# Altium PCB BLDC_DEV_LKS074D(O)_V1.10.PcbDoc (part 1 of 2) (continued)
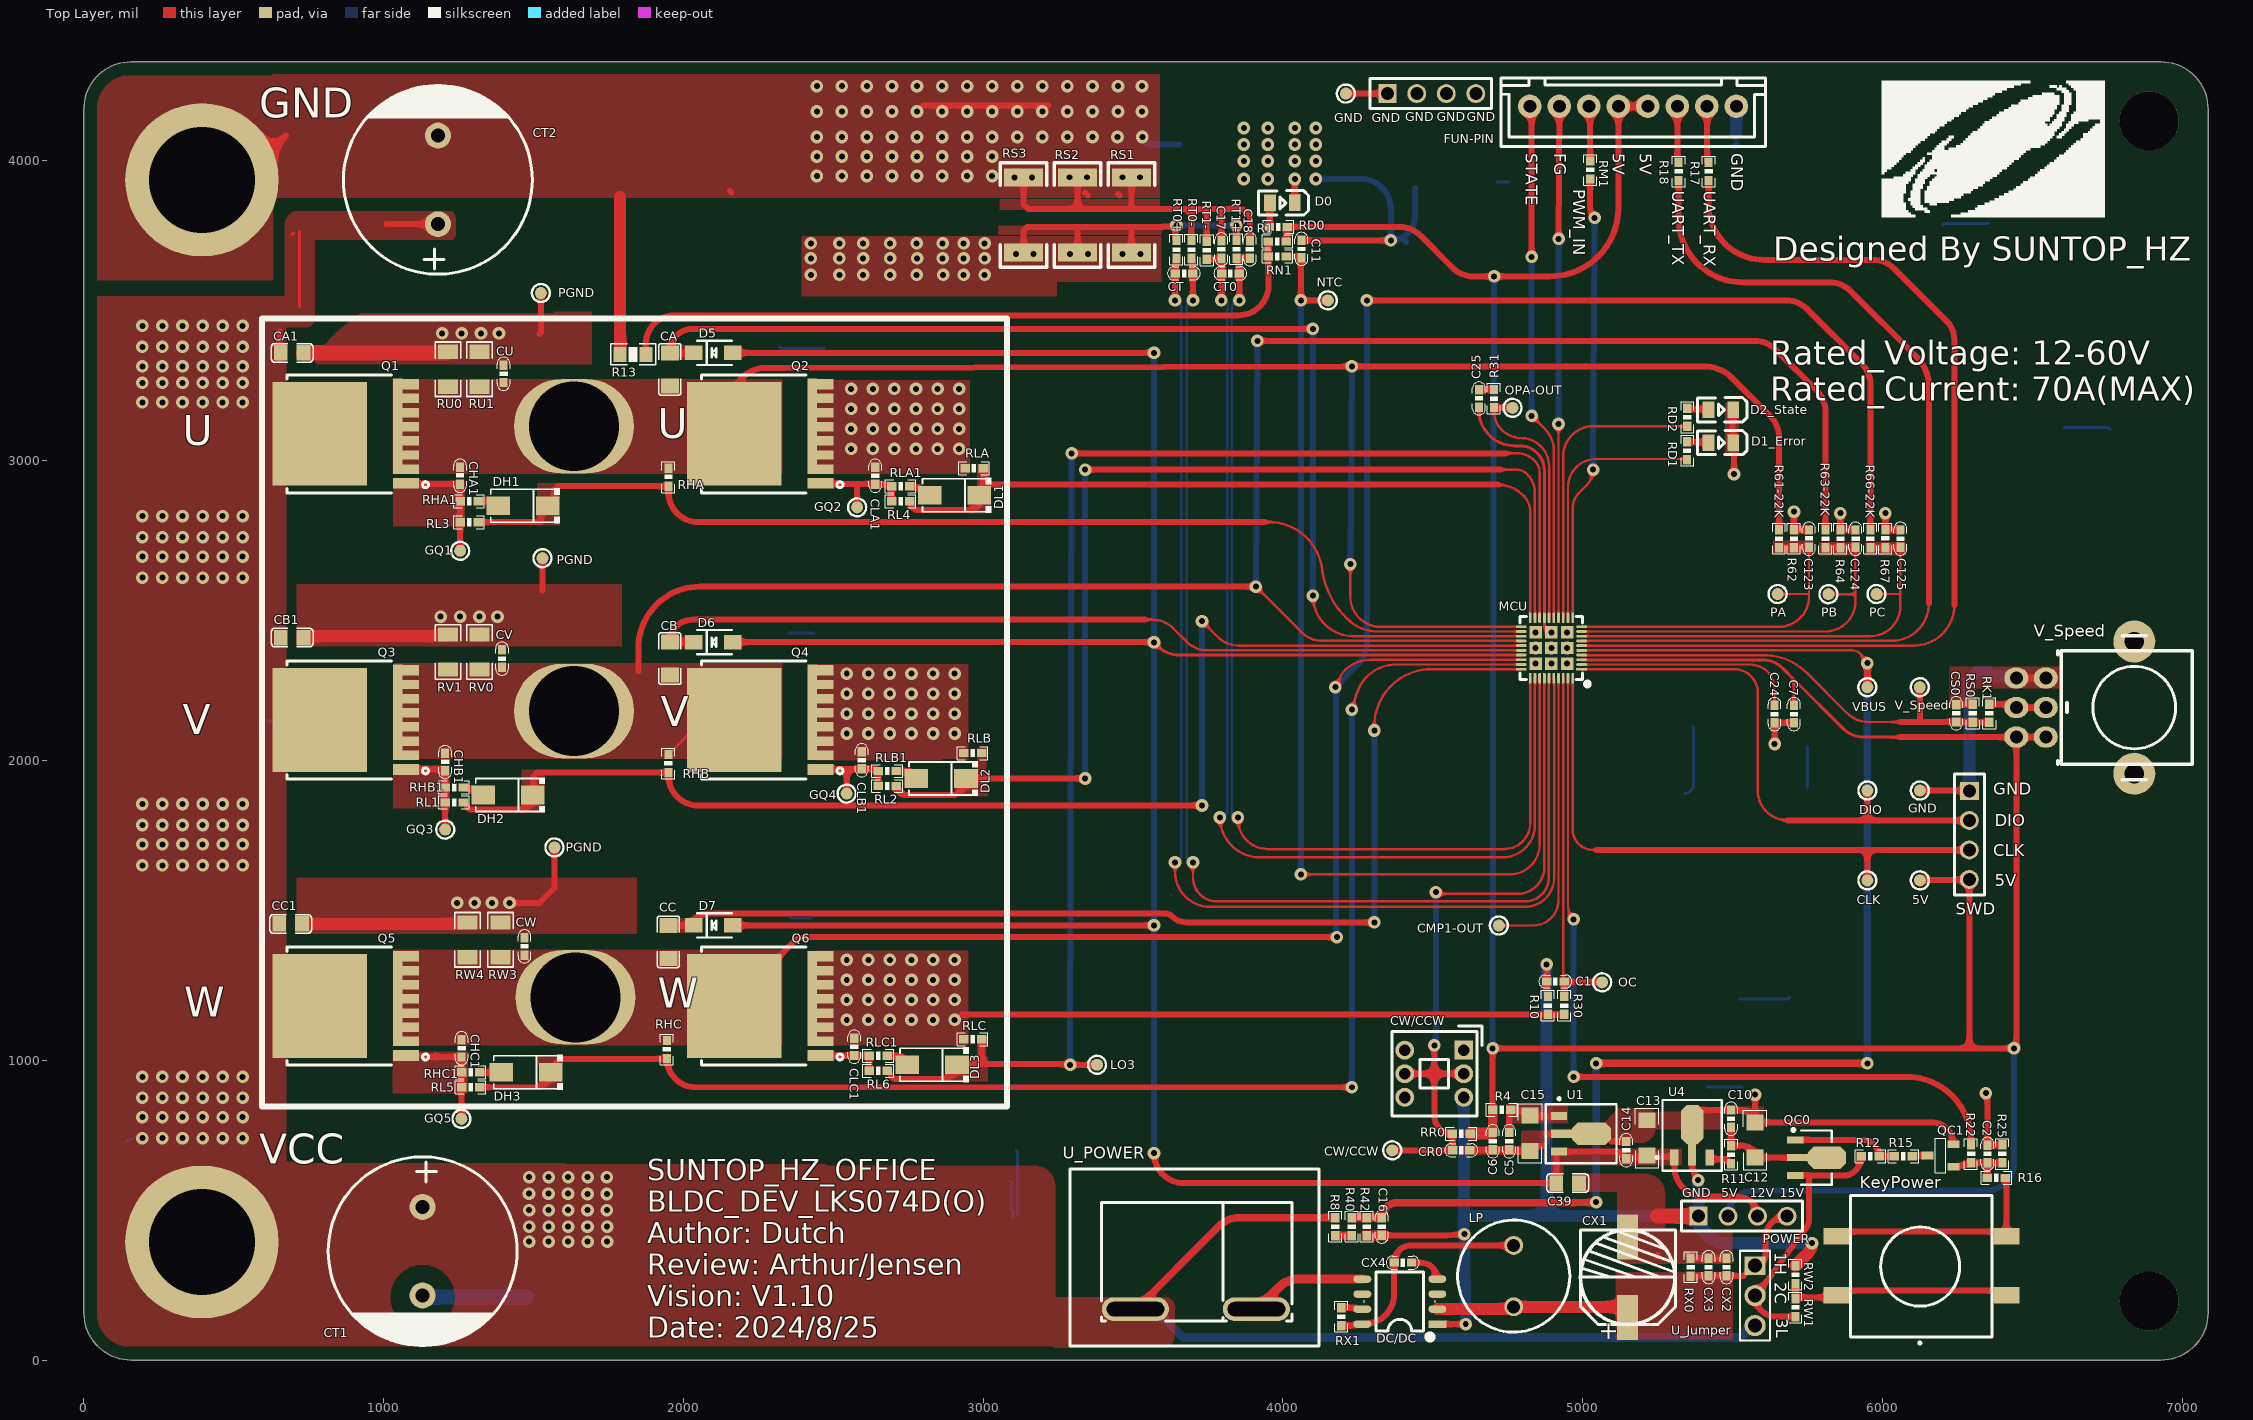
[diagram p0: Top Layer view]
## Footprints (in the part's own frame and the unit in brackets; to place one, negate y for a bottom-side part, rotate by r counter-clockwise, add the part's x,y. Pads: shape width x height; smd on the part's side, far side on the other; paste and mask are expansions set on the pad)
0603C [mm] "电容"
  rect 0.8x0.7 smd: 1(-0.737,0) 2(0.738,0)
  silkscreen extent -1.4,-0.55 1.4,0.55, body extent -0.8,-0.41 0.8,0.41, height 0.81
0603R [mm] "电阻"
  rect 0.8x0.7 smd: 1(-0.762,0) 2(0.762,0)
  silkscreen extent -1.3,-0.55 1.3,0.55, body extent -0.8,-0.4 0.8,0.4, height 0.45
0805C [mil] "电容"
  rect 46x51.18 smd: 1(-38,0) 2(38,0)
  silkscreen extent -69,-31 70,31, body extent -39,-24 39,24, height 20
0805R [mm]
  rect 1.1x1.27 smd: 1(0,0) 2(2.175,0)
  silkscreen extent -0.81,-0.89 3,0.89
1206 [mm]
  rect 1.35x1.45 smd: 1(-0.01,-0.01) 2(2.99,-0.01)
  silkscreen extent -1.02,-1 4,0.98
1206C [mil] "电容"
  rect 50x60 smd: 1(-55,0) 2(55,0)
  silkscreen extent -86,-37 86,37, body extent -63,-32 63,32, height 48
2512R [mm]
  rect 1.5x3.3 smd: 1(-0.04,-0.01) 2(6.31,-0.01)
  silkscreen extent -1.31,-1.98 7.56,1.96
CAP-TH_BD16.0-P7.50-D1.2-FD [mm]
  round 2.2 hole 1.2: 1(-3.75,0) 2(3.75,0)
  silkscreen extent -8,-8 8,8
CONN-TH_4P-P2.50_4PIN [mm]
  rect 1.524x1.6 hole 1.1: 1(-3.75,0)
  round 1.6 hole 1.1: 2(-1.25,0) 3(1.25,0) 4(3.75,0)
  silkscreen extent -5.21,-1.27 5.08,1.27
CONN-TH_8P-P2.50-XH2.54-8P [mm]
  round 2 hole 1.1: 1(8.75,0) 2(6.25,0) 3(3.75,0) 4(1.25,0) 5(-1.25,0) 6(-3.75,0) 7(-6.25,0) 8(-8.75,0)
  silkscreen extent -11.2,-3.4 11.2,2.4
EC-8 [mm]
  rect 3.81x1.8 smd: 1(-3.4,0) 2(3.4,0)
  silkscreen extent -4.01,-4.04 4.01,4.01
HDR-TH_3P-P2.54-V-M-1 [mm]
  rect 1.575x1.8 hole 1.2: 1(-2.54,0)
  round 1.8 hole 1.2: 2(0,0) 3(2.54,0)
  silkscreen extent -3.81,-1.27 3.81,1.27
IND-TH_BD9.5-P5.20-D0.6 [mm]
  round 1.6 hole 1.1: 1(-2.6,0) 2(2.6,0)
  silkscreen extent -4.75,-4.75 4.75,4.75
LED0805-R-RD [mm]
  rect 1x1.4 smd: 1(1.05,0) 2(-1.05,0)
  silkscreen extent -2.22,-1.04 1.99,1.01
QFN40 [mm] "LINKO-074D"
  rect 1.05x1.05 smd: 0(-1.33,1.33) 0(-1.33,0) 0(-1.33,-1.33) 0(0,1.33) 0(0,0) 0(0,-1.33) 0(1.33,1.33) 0(1.33,0) 0(1.33,-1.33)
  rect 0.9x0.24 smd: 1(-2.55,1.8)
  oval 0.9x0.24 smd: 2(-2.55,1.4) 3(-2.55,1) 4(-2.55,0.6) 5(-2.55,0.2) 6(-2.55,-0.2) 7(-2.55,-0.6) 8(-2.55,-1) 9(-2.55,-1.4) 10(-2.55,-1.8) 21(2.55,-1.8) 22(2.55,-1.4) 23(2.55,-1) 24(2.55,-0.6) 25(2.55,-0.2) 26(2.55,0.2) 27(2.55,0.6) 28(2.55,1) 29(2.55,1.4) 30(2.55,1.8)
  oval 0.24x0.9 smd: 11(-1.8,-2.55) 12(-1.4,-2.55) 13(-1,-2.55) 14(-0.6,-2.55) 15(-0.2,-2.55) 16(0.2,-2.55) 17(0.6,-2.55) 18(1,-2.55) 19(1.4,-2.55) 20(1.8,-2.55) 31(1.8,2.55) 32(1.4,2.55) 33(1,2.55) 34(0.6,2.55) 35(0.2,2.55) 36(-0.2,2.55) 37(-0.6,2.55) 38(-1,2.55) 39(-1.4,2.55) 40(-1.8,2.55)
  silkscreen extent -3.16,-2.65 2.65,3.16, body extent -3,-3 3,3, height 0.9
R1206 [mil]
  rect 47.54x66.97 smd paste-3937.01 mask+2: 1(-58.22,0) 2(58.22,0)
  silkscreen extent -91,-42 91,42
RK097-W [mil]
  round 140 hole 65: 0(-220.47,196.85) 0(220.47,196.85)
  oval 70x80 hole 43.31: 1(98.43,-196.85) 2(-98.42,-196.85) 3(0,-196.85) 4(-98.42,-98.42) 5(0,-98.42) 6(98.43,-98.42)
  silkscreen extent -240,-59 240,390
SMA_L4.3-W2.5-LS5.0-RD [mm]
  rect 2x1.593 smd: 1(-2.1,0) 2(2.1,0)
  silkscreen extent -3.11,-1.48 2.73,1.48
SOD-123 [mm] "二极管"
  rect 1.5x1.22 smd: 1(-1.65,0) 2(1.65,0)
  silkscreen extent -1.55,-1.02 1.38,1.02, body extent -1.85,-0.8 1.85,0.8, height 1.22
SOP8-NCE4614 [mil]
  rect 60x25 smd: 1(-125,75)
  oval 60x25 smd: 2(-125,25) 3(-125,-25) 4(-125,-75) 5(125,-75) 6(125,-25) 7(125,25) 8(125,75)
  silkscreen extent -118,-98 118,124
SOT89 [mm] "SOT-89; Body 4.6 x 4.25 mm, inc. leads (LxW max)"
  rect 0.7x1.35 smd: 1(-1.5,-1.388) 3(1.5,-1.388)
  rect 0.7x1.8 smd: 2(0,-1.163)
  oct 1.9x3.3 smd: 2(0,1.388)
  silkscreen extent -3.07,-2.51 2.5,3.49, body extent -2.31,-1.58 2.29,2.67, height 1.59
SOT89N [mm]
  rect 1.4x0.6 smd: 1(-1.8,1.5) 3(-1.8,-1.5)
  rect 1.8x0.6 smd: 2(-1.6,0)
  oct 3.2x1.9 smd: 2(0.9,0)
  silkscreen extent -2.07,-2.3 1.3,2.47
SOT-23 [mm]
  rect 0.65x1 smd: 1(0.045,-0.19) 2(1.945,-0.19) 3(0.995,2.01)
  silkscreen extent -0.45,0.46 2.45,1.36
SUNTOP_LOGO [mil]
  silkscreen extent -17,117 727,573
"SW-PB  12*12" [mm]
  rect 2.2x1.397 smd: 1(-7.2,2.5) 2(-7.2,-2.5) 3(7.2,2.5) 4(7.2,-2.5)
  silkscreen extent -5.98,-5.94 6.02,6.68
SW-TH_6P-L7.0-W7.0-P2.00 [mm]
  rect 1.6x1.6 hole 1: 1(2.5,2)
  round 1.6 hole 1: 2(2.5,0) 3(2.5,-2) 4(-2.5,2) 5(-2.5,0) 6(-2.5,-2)
  silkscreen extent -3.6,-3.6 4.06,4.06
SW-TH_SDDJE11600 [mm]
  oval 5.7x2 hole 1.2 slot 4.9 at 0 deg paste-2539.97 mask+0.05: 1(-5.125,0) 2(5.125,0)
  silkscreen extent -10.42,-11.87 10.67,3.11
TOLL-8L [mm]
  rect 0.9x2.2 smd paste-100 mask+0.05: 1(-4.2,-3.65) 8(4.2,-3.65)
  rect 0.8x2.2 smd paste-100 mask+0.05: 2(-3,-3.65) 3(-1.8,-3.65) 4(-0.6,-3.65) 5(0.6,-3.65) 6(1.8,-3.65) 7(3,-3.65)
  rect 8.08x0.8 smd paste-100 mask+0.05: 8(0.64,-2.95)
  rect 8.8x8 smd paste-100 mask+0.05: 9(0,3.65)
  silkscreen extent -5,-5.55 5,6.45
TP-40 [mil] "测?"
  round 40 smd: 1(-0.39,-0.39)
  silkscreen extent -30,-30 29,30

## Part data
C1 CR0: library part C, "C?"
C2 C5 C11 C16 C123 C124 C125 CX2: library part Cap, "Capacitor"
  C2 C11 C16 C123 C124 C125: LatestRevisionDate=17-Jul-2002, LatestRevisionNote="Re-released for DXP Platform.", PackageReference=RAD-0.3, Published=8-Jun-2000, Publisher="Altium Limited"
C6 C7 C24 C25 C39 CS0: library part "Cap Semi", "Capacitor (Semiconductor SIM Model)"
C10 C12 C13 C14 C15 CX3 CX4: library part C, "Capacitor"
C17 C18 CA CA1 CB CB1 CC CC1 CHA1 CHB1 CHC1 CLA1 CLB1 CLC1 CU CV CW: library part CAP, "Capacitor"
CT CT0: library part CAP
CT1 CT2: library part "Cap Pol1", "Polarized Capacitor (Radial)"
CW/CCW: Actuator/Cap Color=蓝色, Contact Current=100mA, Insulation Resistance=100MΩ, IP Rating=-, JLCPCB Part Class="Extended Part", LCSC Part Name="按键开关   7*7插件自锁 蓝白黑", Manufacturer="XKB Connectivity(中国星坤)", Operating Force=160gf, Operating Temperature=-15℃~+55℃, Voltage Rating (AC)=250V, Voltage Rating (DC)=30V, Actuator Style=矩形按钮, Add into BOM=yes, Convert to PCB=yes, Datasheet=https://atta.szlcsc.com/upload/public/pdf/source/20211015/75A682A27A424BDE8D93C2CFA14C38FE.pdf, Device=XKB7070-Z, Manufacturer Part=XKB7070-Z, Mechanical Life=10万次, Mounting Style=直插, Name=XKB7070-Z, Pin Style=PC引脚, Self Lock / No Lock=自锁, Supplier=LCSC, Supplier Footprint=插件, Supplier Part=C318863, Symbol=XKB7070-Z, With Lamp=不带
CX1: library part EC
D5 D6 D7: library part Diode, "Default Diode", PackageDocument=Sep-1996, Code_JEDEC=DO-214-AB, LatestRevisionDate=17-Jul-2002, LatestRevisionNote="Re-released for DXP Platform.", PackageReference=SMC, Published=8-Jun-2000, Publisher="Altium Limited"
DC/DC: library part 620
DH1 DH2 DH3 DL1 DL2 DL3: library part 1N4007_C727081, Average Rectified Current (Io)=1A, Forward Voltage (Vf@If)=1.1V@1A, JLCPCB Part Class="Extended Part", LCSC Part Name="电压:1kV 电流:1A", Manufacturer=TWGMC(台湾迪嘉), Reverse Leakage Current=5uA@1kV, Reverse Voltage (Vr)=1kV, Add into BOM=yes, Convert to PCB=yes, Datasheet=https://atta.szlcsc.com/upload/public/pdf/source/20200828/C727079_3A05254382567072883400655AE0ED46.pdf, Device=1N4007_C727081, Diode Configuration=独立式, Manufacturer Part=1N4007, Supplier=LCSC, Supplier Footprint=SMA(DO-214AC), Supplier Part=C727081, Symbol=1N4007_C727081
FUN-PIN: Current Rating (Max)=3A, JLCPCB Part Class="Extended Part", Manufacturer=Megastar(兆星), Operating Temperature Range=-25℃~+85℃, Add into BOM=yes, Contact Material=黄铜, Contact Plating=锡, Convert to PCB=yes, Datasheet=https://atta.szlcsc.com/upload/public/pdf/source/20230619/688603DEA58996C00B1F33C46797D2C3.pdf, Device=ZX-XH2.54-8PZZ, LCSC Part Name=ZX-XH2.54-8PZZ, Manufacturer Part=ZX-XH2.54-8PZZ, Mounting Style=直插, Name=ZX-XH2.54-8PZZ, Number of Pins=8P, Number of PINs Per Row=8, Number of Rows=1, Pins Structure=1x8P, Pitch=2.54mm, Reference Series=XH, Row Spacing=-, Supplier=LCSC, Supplier Footprint=插件,P=2.54mm, Supplier Part=C7429638, Symbol=ZX-XH2.54-8PZZ
KeyPower: "Switch"
LP: library part INDUCTOR1
MCU: library part LKS32MC074DF8Q8, "MCU"
Q1 Q2 Q3 Q4 Q5 Q6: library part HT7202, Continuous Drain Current (Id)=400A, Drain Source On Resistance (RDS(on)@Vgs,Id)=2mΩ@10V, Drain Source Voltage (Vdss)=80V, Gate Threshold Voltage (Vgs(th)@Id)=4V, JLCPCB Part Class="Extended Part", LCSC Part Name="1个N沟道 耐压:80V 电流:400A", Manufacturer="HXY MOSFET(华轩阳电子)", Add into BOM=yes, Convert to PCB=yes, Datasheet=https://atta.szlcsc.com/upload/public/pdf/source/20230921/B849367E43DEA1E6AF47E51F34FBDCF7.pdf, Device=HT7202, Manufacturer Part=LR015N11ST10, Name=LR015N11ST10, Supplier=LCSC, Supplier Footprint=TOLL, Supplier Part=C18198384, Symbol=HT7202, Type=1个N沟道
QC0: library part "2SA1013 直插", "PNP BJT"
QC1: library part NPN_C
R1 R4 R8 R11 R12 R15 R16 R17 R18 R22 R25 R40 R42 R62 R64 R67 RD0 RD1 RD2 RHA RHA1 RHB RHB1 RHC RHC1 RL1 RL2 RL3 RL4 RL5 RL6 RLA RLA1 RLB RLB1 RLC RLC1 RM1 RN1 RS1 RS2 RS3 RW1 RW2 RX1: library part Res2, "Resistor"
  R1 R12 R15 R16 R22 R25 RD0 RD1 RD2 RHA RHA1 RHB RHB1 RHC RHC1 RL1 RL2 RL3 RL4 RL5 RL6 RLA RLA1 RLB RLB1 RLC RLC1 RN1 RS1 RS2 RS3 RX1: LatestRevisionDate=17-Jul-2002, LatestRevisionNote="Re-released for DXP Platform.", PackageDescription="Axial Device, Thru-Hole; 2 Leads; 0.4 in Pin Spacing", PackageReference=0603R, Published=8-Jun-2000, Publisher="Altium Limited"
  R8 R40 R42: LatestRevisionDate=17-Jul-2002, LatestRevisionNote="Re-released for DXP Platform.", PackageReference=0603R, Published=8-Jun-2000, Publisher="Altium Limited"
  R11 RW1 RW2: LatestRevisionDate=17-Jul-2002, LatestRevisionNote="Re-released for DXP Platform.", PackageDescription="Axial Device, Thru-Hole; 2 Leads; 0.4 in Pin Spacing", PackageReference=AXIAL-0.4, Published=8-Jun-2000, Publisher="Altium Limited"
R10 R30 R31 R61-22K R63-22K R66-22K RK1 RR0 RS0: library part R, "R?"
R13: library part NTC
RT0+ RT0- RT1+ RT1-: library part RES/1
RU0 RU1 RV0 RV1 RW3 RW4: library part 1206W4F1002T5E, JLCPCB Part Class="Basic Part", LCSC Part Name="10kΩ ±1% 250mW 厚膜电阻", Manufacturer=UNI-ROYAL(厚声), Operating Temperature Range=-55℃~+155℃, Overload Voltage (Max)=200V, Power(Watts)=250mW, Temperature Coefficient=±100ppm/℃, Tolerance=±1%, Add into BOM=yes, Convert to PCB=yes, Datasheet=https://atta.szlcsc.com/upload/public/pdf/source/20200306/C422600_1E6D84923E4A46A82E41ADD87F860B5C.pdf, Device=1206W4F1002T5E, Manufacturer Part=1206W4F1002T5E, Supplier=LCSC, Supplier Footprint=1206, Supplier Part=C17902, Symbol=1206W4F1002T5E, Type=厚膜电阻
RX0: library part RES2-1
U1 U4: library part VOL-78
U_Jumper: Color=绿色, Current Rating (Max)=5A, JLCPCB Part Class="Extended Part", LCSC Part Name="间距:2.54mm 1x3P 直插", Manufacturer="TE Connectivity(泰科电子)", Operating Temperature Range=-65℃~+105℃, Voltage Rating (Max)=-, Add into BOM=yes, Circluar Pins/Square Pins=-, Contact Material=黄铜, Contact Plating=锡, Convert to PCB=yes, Datasheet=https://atta.szlcsc.com/upload/public/pdf/source/20181105/C306220_A1767197311F9EA18E5C41C77B28DC02.pdf, Device=826629-3, Insulation Height=2.8mm, Length of Mating Pin=-, Manufacturer Part=826629-3, Mounting Type=直插, Name=826629-3, Number of Pins=3P, Number of Rows=单排, Pin Structure=1x3P, Pitch=2.54mm, Row Spacing=-, Supplier=LCSC, Supplier Footprint=插件,P=2.54mm, Supplier Part=C306127, Symbol=826629-3
U_POWER: Actuator Color=黑色, Contact Current=10A, JLCPCB Part Class="Extended Part", LCSC Part Name=电源开关, Manufacturer=ALPSALPINE(阿尔卑斯阿尔派), Voltage Rating (AC)=250V, Voltage Rating (DC)=-, Actuator Identifier=无标识, Actuator Type=凹面弯曲, Add into BOM=yes, Circuit=单刀单掷, Convert to PCB=yes, Datasheet=https://atta.szlcsc.com/upload/public/pdf/source/20180613/C231759_9502EEB0D72A7F1BA578B45D62B9B046.pdf, Device=SDDJE11600, Manufacturer Part=SDDJE11600, Mechanical Life=-, Name=SDDJE11600, Pin Style=焊片, Supplier=LCSC, Supplier Footprint=插件, Supplier Part=C231759, Switch Height=24.2mm, Switch Length=21mm, Switch Width=15mm, Symbol=SDDJE11600, With Lamp=-
V_Speed: library part RPot, "Potentiometer", LatestRevisionDate=17-Jul-2002, LatestRevisionNote="Re-released for DXP Platform.", PackageDescription="Variable Resistor, Thru-Hole; 3 Leads", PackageReference=VR5, Published=8-Jun-2000, Publisher="Altium Limited", Set Position=0.5, Sim Note="Enter the Resistance value and the set point into parameter fields."
D0 D1_Error D2_State: ComponentLink1Description="New link"

## Free pads (board coordinates)
  round 196.85 hole 196.85: 0(6889.76,4133.86) 1(6889.76,196.85)
  round 511.81 hole 354.33: GND(393.7,3937.01) VCC(393.7,393.7)
  oval 400x315 hole 300: U(1635,3115) V(1635,2165) W(1640,1210)

## Via types
v1: diameter 42, hole 20, Top Layer to Bottom Layer, 395 vias

## Nets (pads, with @x,y where several pads share a name; then routed paths per layer and width w, separated by ;. In a path a pad name is that pad's centre, name@x,y a point inside that pad or via, vN(x,y) a via of type N, cw(c..) or ccw(c..) an arc to the next point about the centre after c; other vN are vias at no path point)
5V: 5V.1 ?.4 C6.2 C7.2 FUN-PIN.4 FUN-PIN.5 MCU.3 POWER.2 R1.2 R4.2 RD0.1 RR0.2 V_Speed.1@6446.57,2078.15 V_Speed.6 | length 11397.9
  Top Layer w10: MCU.3@4996.26,2336.02 5598.67,2336.02 ; 5598.69,2336.02 5598.79,2336.02 cw(c5598.74,2238.88) 5667.43,2307.57 5705,2270 ; C7.2@5705,2184.06 5705,2270 ; 6056.85,2078.15 5938.27,2078.15 cw(c5938.27,2178.15) 5867.56,2107.44 5705,2270
  Top Layer w20: R1.2@4011.85,3731.65 4011.85,3776.85 cw(c4015,3776.85) RD0.1@4015,3780 4388.58,3780 cw(c4388.58,3680) 4459.29,3750.71 4565.71,3644.29 ccw(c4636.42,3715) 4636.42,3615 v1(4705,3615) 4890.95,3615 ccw(c4890.95,3843.03) 5118.98,3843.03 FUN-PIN.5@5118.98,4182.59 FUN-PIN.4@5217.4,4182.59 ; R4.2@4700,835 v1(4700,1040) 6205,1040 6290,1040 ; 6056.85,2078.15 V_Speed.1@6446.57,2078.15 ; 5V.1@6125,1600 6126.58,1601.58 6288.43,1601.58 ?.4@6290,1603.15 6290,1040 ; V_Speed.1@6438.86,2062.15 cw(c6458.86,2062.15) 6444.69,2076.26 V_Speed.1@6446.57,2078.15 ; V_Speed.1@6446.57,2062.15 6446.57,1047.71 cw(c6438.86,1047.71) v1(6438.86,1040) 6290,1040 ; V_Speed.6@6545,2078.15 V_Speed.1@6446.57,2078.15
  Top Layer w30: C6.2@4700,759.06 R4.2@4700,835
  Top Layer w40: RR0.2@4625,755 4695.94,755 C6.2@4700,759.06
  Bottom Layer w20: v1(4700,1040) 4705,3614.95 ccw(c4685,3615.04) v1(4705,3615) ; POWER.2@5485,480 cw(c5570,480) 5570,565 6345,565 ccw(c6345,658.86) 6438.86,658.86 v1(6438.86,1040)
12V: C13.1 C14.1 C39.2 D5.1 D6.1 D7.1 MCU.27 POWER.3 U1.3 U4.1 | length 10454.1
  Top Layer w10: v1(3570,2394) 3582.71,2381.29 ccw(c3653.42,2452) 3653.42,2352 4180.01,2352 MCU.27@4795.47,2351.77
  Top Layer w20: D7.1@2164.96,1450 v1(3570,1450) ; D6.1@2164.96,2395 3562.5,2395 cw(c3562.5,2375) 3565.9,2394.71 v1(3570,2394) ; D5.1@2164.96,3360 v1(3570,3360) ; v1(3570,690) ccw(c3670,690) 3670,590 C39.2@4912,590 4912,674.83 cw(c4941.87,674.83) U1.3@4920.75,695.95 4921.69,695 5122.97,695 5145,672.97 C14.1@5145,672.67 ; C14.1@5145,671 C14.1@5145,672.67 ; C13.1@5233.54,665.32 C13.1@5218.07,678.82 ; U4.1@5302,677.95 cw(c5302.87,677.95) 5302.87,678.82 C13.1@5218.07,678.82 ; U4.1@5305.94,675.75 5305.94,645 ccw(c5405.94,645) 5405.94,545 5518.42,545 cw(c5518.42,480) POWER.3@5583.42,480 ; C14.1@5145,672.67 5148.78,676.45 5209.56,676.45 C13.1@5215,681.89 C13.1@5218.07,678.82
  Bottom Layer w20: v1(3570,690) v1(3570,1450) v1(3570,2394) v1(3570,3360)
15V: CX1.1 CX2.2 CX3.2 DC/DC.2 LP.2 POWER.4 RX0.2 U_Jumper.1 | length 1129
  Top Layer w20: DC/DC.2@4515,170 DC/DC.2@4515.96,170.96 ; LP.2@4763.31,170.96 LP.2@4770,177.64 ; CX1.1@5124.57,177.64 5150,152.21 CX1.1@5150,142.28 ; RX0.2@5360,280 5360.47,280.47 5419.53,280.47 CX3.2@5420,280.95 CX2.2@5480,280.95 5536.51,280.95 5570.57,315 U_Jumper.1@5575,315 ccw(c5575,350.04) 5610.04,350.04 5610.04,408.19 cw(c5681.85,408.19) POWER.4@5681.85,480 5675.09,480.28 ccw(c5674.26,460.3) POWER.4@5667.13,478.98
  Top Layer w40: DC/DC.2@4515.96,170.96 LP.2@4763.31,170.96 ; LP.2@4770,177.64 CX1.1@5124.57,177.64
CMP1_OUT: CMP1-OUT.1 MCU.37 | length 988.1
  Top Layer w8: CMP1-OUT.1@4720.39,1449.61 4834.61,1449.61 ccw(c4834.61,1534.49) 4919.49,1534.49 MCU.37@4919.49,2275
DIR_Change: CR0.1 CW/CCW.1@4364.61,699.61 CW/CCW.2 CW/CCW.5 MCU.34 RR0.1 | length 2340.3
  Top Layer w8: v1(4510,1561) 4521.58,1555.72 ccw(c4524.9,1563) 4524.9,1555 4782.24,1555 ccw(c4782.24,1645) 4872.24,1645 MCU.34@4872.24,2275
  Top Layer w20: CW/CCW.1@4364.61,699.61 4364.8,699.8 4565.8,699.8 CR0.1@4566,700 4566,754 ccw(c4565,754) RR0.1@4565,755 cw(c4565,815) 4505,815 4505,955 ; CW/CCW.5@4406.58,955 4505,955 ; v1(4505,1050) 4505,955 ; CW/CCW.2@4603.43,955 4505,955
  Bottom Layer w20: v1(4505,1050) ccw(c4490,1063.23) 4510,1063.17 v1(4510,1561)
FG: FUN-PIN.7 MCU.14 | length 1706.8
  Top Layer w8: MCU.14@4919.49,2475.79 v1(4919.49,3122.62)
  Top Layer w20: v1(4920,3740) FUN-PIN.7@4922.13,4182.59
  Bottom Layer w20: v1(4919.49,3122.62) v1(4920,3740)
GND: ?.1 C1.2 C2.2 C5.1 C6.1 C7.1 C10.2 C11.1 C12.2 C13.2 C14.2 C15.2 C16.2 C17.1 C18.2 C24.1 C25.1 C39.1 C123.2 C124.2 C125.2 CR0.2 CS0.1 CT2.2 CW/CCW.3 CX1.2 CX2.1 CX3.1 D0.2 D1_Error.2 D2_State.2 DC/DC.1 FUN-PIN.1 GND.1 GND.2 GND.3 GND.4 MCU.0 MCU.17 pad.GND POWER.1 QC1.2 R10.2 R13.1 R25.1 R42.1 R62.1 R64.1 R67.1 RS0.1 RS1.2 RS2.2 RS3.2 RT0-.2 RT1-.1 RW2.1 RX0.1 U1.2 U4.2 V_Speed.2 V_Speed.4 | length 13540.8
  Top Layer w10: C25.1@4645.07,3175 ccw(c4645.07,3187.6) C25.1@4653.98,3178.69 ; C25.1@4654.35,3178.66 ccw(c4772.31,3168.41) 4772.27,3050 4790,3050 cw(c4790,2967.76) 4872.24,2967.76 MCU.17@4872.24,2475.79 4872.24,2451.38 ccw(c4895.87,2451.38) v1(4895.87,2427.76)
  Top Layer w20: pad.GND@393.7,3937.01 526.78,3937.01 674.42,4084.64 ; 1789.37,3879.37 1790,3880 ; 2155,3900 2160,3895 ; 2800,4185 3217.64,4185 ; RS3.2@3135,3945 3135,3855 3150,3840 3315,3840 ; RS2.2@3315,3945 3315,3840 ; 3340,3895 3350,3885 ; 3450,3890 3455,3885 ; 3495,3850 RS1.2@3495,3945 ; v1(3530,4165) v1@3530.2,4165.2 ; v1(3531.3,4080) v1@3533.8,4077.5 ; RT0-.2@3695,3735 3695,3840 ; RT1-.1@3745.86,3732.23 3745.86,3835.86 3750,3840 ; C17.1@3795,3734 3795,3830 3805,3840 ; C18.2@3890,3734.06 3890,3805 ccw(c3855,3805) 3855,3840 3805,3840 ; D0.2@4039.22,3859.99 4039.22,3879 cw(c4059.22,3879) 4039.23,3879.25 v1(4040,3940) ; C11.1@4061.85,3735.65 4065.63,3735 v1(4360,3735) ; GND.1@4210,4225 GND.1@4348.15,4225 ; R42.1@4280,415 C16.2@4329.05,415 ; C16.2@4333.78,421.69 C16.2@4330,415.95 4544,415.95 ccw(c4544,435.95) 4545.34,415.99 v1(4605,420) ; DC/DC.1@4515,120 v1(4610,120) ; CR0.2@4624.05,700 4699,700 ccw(c4699,701) C6.1@4700,701 C5.1@4755,701 ; C5.1@4755,706 4755,704.03 4761.75,697.28 C15.2@4824.61,697.28 4841.18,713.86 4866.81,713.86 ; 4876.46,755 U1.2@4929.61,755 U1.2@5030,755 5070.4,755 5096.34,729.06 C14.2@5145,729.06 5148.78,732.83 C14.2@5148.78,735.75 ; v1@4880,1310 4879.96,1309.96 C1.2@4879.96,1262.81 R10.2@4879.96,1216.86 ; CX1.2@5150,410 5150,375.43 CX1.2@5175.43,350 ; C13.2@5213.03,800 C13.2@5215,800 ; 5250,345 ccw(c5230.1,346.95) 5250.05,348.31 ; 5250,349.72 ccw(c5270,349.72) 5250.05,348.34 ; RX0.1@5350,350 5354.25,345.75 5356.22,345.75 RX0.1@5360,341.97 ; U4.2@5350,800 U4.2@5365,785 ; RX0.1@5360,340 RX0.1@5360,341.97 ; v1(5385,600) 5365,638.29 U4.2@5365,684.61 U4.2@5365,785 ; CX2.1@5480,339 CX3.1@5420,339 5419.5,339.5 5360.5,339.5 5360.5,341.47 RX0.1@5360,341.97 ; D1_Error.2@5499.97,3060 D2_State.2@5499.97,3145 ; D1_Error.2@5502.7,3060 5505,3042.45 v1(5505,2955) ; C12.2@5568.03,805 C12.2@5570,805 ; v1(5575,885) C12.2@5575,793.11 ; v1(5640.72,2055) 5640.72,2120.25 C24.1@5640,2126 C7.1@5705,2126 ; v1(5705,2830) R62.1@5705,2770 5754.05,2770 cw(c5754.05,2769.05) C123.2@5755,2769.05 ; v1(5860,2825) R64.1@5860,2770 5909.05,2770 cw(c5909.05,2769.05) C124.2@5910,2769.05 ; v1(6010,2825) R67.1@6010,2770 6059.05,2770 cw(c6059.05,2769.05) C125.2@6060,2769.05 ; GND.1@6125,1900 6288.44,1900 ?.1@6290,1898.44 ; QC1.2@6236.89,719.85 ccw(c6163.63,719.85) 6163.63,793.11 C12.2@5575,793.11 ; CS0.1@6246.22,2186.61 RS0.1@6300.22,2186.61 ; v1@6350,880 6350,716.51 C2.2@6350.28,716.51 6350.75,716.98 6399.81,716.98 R25.1@6400.28,717.45 ; V_Speed.2@6446.57,2275 V_Speed.4@6545,2275 ; 3315,3840 3695,3840 ; 3695,3840 3750,3840 ; 3750,3840 3805,3840 ; R10.2@4879.96,1216.86 ccw(c4884.02,1216.86) R10.2@4884.02,1212.81 cw(c4884.02,1216.86) R10.2@4879.96,1216.86 ; U4.2@5365,785 5365,799.71 5399.34,834.06 C10.2@5495,834.06 5534.05,834.06 cw(c5534.05,793.11) C12.2@5575,793.11 ; RS0.1@6300.22,2186.61 ccw(c6300.22,2187.61) RS0.1@6301.22,2187.61 cw(c6300.22,2187.61) RS0.1@6300.22,2186.61
  Top Layer w40: R13.1@1789.37,3355 1789.37,3879.37 ; RW2.1@5710,315 5750.86,355.86 ccw(c5716.72,390) v1(5765,390)
  Top Layer w50: 5250,480 POWER.1@5386.57,480
  Bottom Layer w10: 4715,3931 ccw(c4717.41,3933.41) 4717.41,3930 4755,3930 ; 5340,1890 ccw(c5340,1920) 5370,1920 5370,2111 ; 5415,911 5529,911 cw(c5529,910) 5530,910 ; 5525,1205 5684,1205 ccw(c5684,1211) 5690,1211 ; 5750,1910 5750,2047 ; 6200,3785 cw(c6206,3785) 6206,3791 6355,3791 ; 6605,3111 6745.51,3111 cw(c6745.51,3090.51) 6760,3105
  Bottom Layer w20: v1(3531.3,4080) ccw(c3556.3,4080) 3556.3,4055 3655,4055 ; v1(4110,3940) 4260,3940 cw(c4260,3840) 4360,3840 v1(4360,3735) ccw(c4360,3815) 4440,3815 4440,3910 ; 4405,3735 cw(c4405,3730) 4410,3730 ; 5505,4050 ccw(c5505,4057.68) 5512.68,4057.68
  Bottom Layer w40: CW/CCW.3@4603.43,876.26 4603.43,521 cw(c4563.43,521.01) 4603.42,520.23 4601.88,440.82 ccw(c4641.88,440) 4602.62,432.33 v1(4605,420) v1(4610,120) ; 4620.65,480 4880,480 ; v1(4880,1320) 4880,480 ; v1(5385,600) 5386.56,520.79 cw(c5346.57,520) 5386.57,520 POWER.1@5386.57,480 ; 5510,4090 ccw(c5503.53,4096.47) 5512.68,4096.47 FUN-PIN.1@5512.68,4182.59 ; v1(5765,390) 5476.57,390 cw(c5476.57,480) POWER.1@5386.57,480 ; ?.1@6290,1898.44 6290,2271.57 6313.43,2295 6353.43,2295 6367.69,2280.74 6440.83,2280.74 V_Speed.2@6446.57,2275 ; V_Speed.4@6545,2275 ccw(c6566.38,2308.81) V_Speed.4@6545.06,2274.96 ; 4880,480 POWER.1@5386.57,480
  other v1: 6345,890 4843.5,2323.03 4895.87,2323.03 4948.23,2323.03 4843.5,2375.39 4895.87,2375.39 4948.23,2375.39 4843.5,2427.76 4948.23,2427.76 3870,3940 3950,3940 3105,3945 3163.33,3945 3288.59,3945.76 3346.93,3945.76 3465,3945.76 3523.33,3945.76 2445,3950 2528.61,3950 2612.23,3950 2695.84,3950 2779.45,3950 2863.06,3950 2946.68,3950 3030.29,3950 3870,4000 3950,4000 4040,4000 4110,4000 2445,4015 2528.61,4015 2612.23,4015 2695.84,4015 2779.45,4015 2863.06,4015 2946.68,4015 3030.29,4015 3870,4055 3950,4055 4040,4055 4110,4055 2445,4080 2528.61,4080 2612.23,4080 2695.84,4080 2779.45,4080 2863.06,4080 2946.68,4080 3030.29,4080 3113.9,4080 3197.51,4080 3281.13,4080 3364.74,4080 3448.3,4080 3870,4110 3950,4110 4040,4110 4110,4110 2445,4165 2528.61,4165 2612.23,4165 2695.84,4165 2779.45,4165 2863.06,4165 2946.68,4165 3030.29,4165 3113.9,4165 3197.51,4165 3281.13,4165 3364.74,4165 3450,4165 2445,4250 2528.61,4250 2612.23,4250 2695.84,4250 2779.45,4250 2863.06,4250 2946.68,4250 3030.29,4250 3113.9,4250 3197.51,4250 3281.13,4250 3364.74,4250 3450,4250 3530,4250
HO1: DH1.1 MCU.22 RHA.2 RL3.1 | length 3843.9
  Top Layer w8: 3940.51,2795 cw(c3953.13,2616.56) 4131.26,2633.01 ccw(c4139.22,2633.8) 4131.31,2632.62 ccw(c4407.23,2674.89) 4225.21,2463.26 ccw(c4313.5,2565.91) 4313.54,2430.51 ; 4313.58,2430.51 MCU.22@4795.47,2430.51
  Top Layer w20: RL3.1@1315,2795 1525,2795 1525,2828.64 1546.36,2850 DH1.1@1547.68,2850 1548.64,2850 1570,2871.36 1570,2903.28 1581.72,2915 RHA.2@1950,2915 ; RHA.2@1951.94,2914.61 ccw(c2050,2895) 2049.93,2795 3940.51,2795
HO2: DH2.1 MCU.25 RHB.2 RL1.1 | length 4478.3
  Top Layer w8: v1(3730,2465) 3782.43,2412.57 ccw(c3853.14,2483.28) 3853.14,2383.28 4094.46,2383.28 MCU.25@4795.47,2383.27
  Top Layer w20: RL1.1@1265,1860 1270.75,1856.22 RL1.1@1270.75,1856.72 ; DH2.1@1497.68,1892.68 DH2.1@1497.68,1885 1500,1887.32 1500,1948.28 1511.72,1960 RHB.2@1950,1960 1950,1950 ccw(c2050,1950) 2050,1850 v1(3730,1850) ; DH2.1@1525,1906.36 DH2.1@1503.64,1885 ; RL1.1@1270.75,1856.72 cw(c1258.09,1841.23) RL1.1@1276.92,1847.97 ; RL1.1@1270.75,1856.72 cw(c1258.09,1841.23) RL1.1@1276.92,1847.97 ; RL1.1@1276.92,1847.97 ccw(c1292.95,1853.64) 1292.95,1836.64 1455.28,1836.64 ; 1455.28,1836.64 ccw(c1455.28,1885) DH2.1@1503.64,1885 ; 1455.28,1836.64 ccw(c1455.28,1885) DH2.1@1503.64,1885
  Bottom Layer w20: v1(3730,1850) v1(3730,2465)
HO3: DH3.1 MCU.29 RHC.2 RL5.1 | length 5010.6
  Top Layer w8: v1(4230,2170) 4246.88,2224.35 cw(c4377.14,2183.88) 4377.14,2320.28 MCU.29@4795.47,2320.28
  Top Layer w20: RL5.1@1321.36,908.64 RL5.1@1320,910 1507.68,910 ; v1(4230,910) 2040.88,910 cw(c2040.88,1005.88) RHC.2@1945,1005.88 1944.12,1005 1586.72,1005 1575,993.28 1575,977.32 DH3.1@1557.68,960 ; 1507.68,910 ccw(c1507.68,960) DH3.1@1557.68,960 ; 1507.68,910 ccw(c1507.68,960) DH3.1@1557.68,960
  Bottom Layer w20: v1(4230,910) 4229.85,1365.14 4229.85,2169.85 v1(4230,2170)
LDO5V: C5.2 C15.1 R4.1 U1.1 | length 242.4
  Top Layer w20: C5.2@4755,764.8 4755,831.22 4758.78,835 R4.1@4760,835 4763.78,831.22 4808.78,831.22 C15.1@4824.61,815.39 4825.27,814.73 4920.08,814.73 U1.1@4920.75,814.06
LED1: MCU.12 RD1.1 | length 885.8
  Top Layer w8: MCU.12@4950.98,2475.79 4950.98,2488.78 4950.98,2911.5 ; 4950.98,2911.54 cw(c5045.41,2911.59) 5047.35,3006 ccw(c5047.5,3014) 5047.5,3006 5337.27,3006 RD1.1@5347.05,3004.77
LED2: MCU.13 RD2.1 | length 1010.2
  Top Layer w8: MCU.13@4935.24,2475.79 4935,2475.79 4935,3015 cw(c5035,3015) 5035,3115 RD2.1@5348.62,3115
LO1: DL1.1 MCU.20 RL4.1 RLA.2 | length 2584.7
  Top Layer w8: 4717.43,2920 cw(c4717.43,2802.83) 4803.61,2882.21 ccw(c4809.45,2887.67) 4803.74,2882.08 cw(c4750.59,2830) 4825,2830 MCU.20@4825,2475.79
  Top Layer w20: RL4.1@2756.97,2865 RL4.1@2755,2865 ccw(c2785,2865) 2785,2835 2955,2835 ccw(c2955,2867.68) 2987.68,2867.68 DL1.1@2987.68,2885 ccw(c2957.94,2914.74) 3000,2914.74 RLA.2@3000,2975 ; 3022.68,2920 3120,2920 4717.43,2920
LO2: DL2.1 MCU.19 RL2.1 RLB.2 | length 3683.9
  Top Layer w8: 4725,2970 4778.79,2970 cw(c4778.79,2918.79) 4815,2955 cw(c4752.84,2892.84) 4840.75,2892.84 MCU.19@4840.75,2475.79
  Top Layer w20: RL2.1@2711.97,1915 RL2.1@2710,1915 ccw(c2740.17,1915) 2740.17,1884.83 2894.9,1884.83 ccw(c2894.9,1932.62) 2942.68,1932.62 DL2.1@2942.68,1940 v1(3340,1940) ; RLB.2@2995,2020 RLB.2@2995,2025 ; v1(3340,2970) 4725,2970
  Bottom Layer w20: v1(3340,1940) v1(3340,2970)
LO3: DL3.1 LO3.1 MCU.18 RL6.1 RLC.2 | length 4943.2
  Top Layer w8: 4745,3025 4779.64,3025 cw(c4779.64,2939.64) 4840,3000 cw(c4800.18,2960.18) 4856.5,2960.18 MCU.18@4856.5,2475.79
  Top Layer w20: RL6.1@2680,965 2685.75,961.22 2693.84,946.09 ccw(c2707.95,953.64) 2707.95,937.64 2865.32,937.64 ccw(c2865.32,985) DL3.1@2912.68,985 DL3.1@2941.16,985 ; DL3.1@2942.05,986.94 2995,986.94 ; RLC.2@2995,1070 2995,986.94 ; v1(3295,3025) 4745,3025 ; LO3.1@3380,985 v1(3290,985) ccw(c3281.41,966.94) 3281.47,986.94 2995,986.94
  Bottom Layer w20: v1(3290,985) v1(3295,3025)
NetC2_1: C2.1 QC1.1 R16.1 R22.2 R25.2 | length 218.6
  Top Layer w20: QC1.1@6236.89,645.05 6246.58,647.84 6291.5,651.7 R22.2@6295.28,657.45 6299.06,658.38 6346.5,658.38 C2.1@6350.28,658.45 ; R16.1@6350.28,607.45 C2.1@6350.28,658.45 ; R25.2@6400.28,657.45 6399.78,657.95 6350.78,657.95 C2.1@6350.28,658.45
NetC10_1: C10.1 C12.1 QC0.2 R11.1 | length 403.8
  Top Layer w20: C10.1@5495,776 R11.1@5495,715 5535,715 cw(c5535,675) C12.1@5575,675 QC0.2@5716.57,675 QC0.2@5815,675
NetC25_2: C25.2 R31.2 | length 50.5
  Top Layer w20: C25.2@4653.98,3236.74 cw(c4654.92,3236.74) 4654.92,3237.69 R31.2@4703.98,3237.69
NetCHA1_1: CHA1.1 GQ1.1 Q1.1 RHA1.2 RL3.2 | length 426.9
  Top Layer w20: Q1.1@1100.39,2924.64 Q1.1@1074.8,2924.64 1076.62,2922.82 1253.18,2922.82 CHA1.1@1255,2921 RHA1.2@1255,2865 RL3.2@1255,2796.97 ; RL3.2@1255,2795 1255.2,2794.8 1255.2,2699.8 GQ1.1@1255.39,2699.61
NetCHB1_1: CHB1.1 GQ3.1 Q3.1 RHB1.2 RL1.2 | length 328.7
  Top Layer w20: Q3.1@1074.8,1970.19 1201.22,1970.19 1205,1966.41 CHB1.1@1205,1966 RHB1.2@1205,1910 RL1.2@1205,1860 1205.2,1859.8 1205.2,1769.8 GQ3.1@1205.39,1769.61
NetCHC1_1: CHC1.1 GQ5.1 Q5.1 RHC1.2 RL5.2 | length 338.9
  Top Layer w20: 1127.95,1015.74 1161.26,1011 CHC1.1@1260,1011 RHC1.2@1260,960 RL5.2@1260,910 1259.8,909.8 1259.8,804.8 GQ5.1@1259.61,804.61
NetCLA1_1: CLA1.1 GQ2.1 Q2.1 RL4.2 RLA1.2 | length 370
  Top Layer w20: Q2.1@2457.4,2924.64 2459.22,2922.82 2580,2922.82 ; GQ2.1@2579.61,2844.61 2579.61,2922.43 2580,2922.82 ; RL4.2@2695,2865 RLA1.2@2695,2915 2693.03,2915 2687.03,2921 CLA1.1@2640,2921 2638.18,2922.82 2580,2922.82
NetCLB1_1: CLB1.1 GQ4.1 Q4.1 RL2.2 RLB1.2 | length 327.7
  Top Layer w20: Q4.1@2457.4,1970.19 2458.25,1971.04 2545,1971.04 ; GQ4.1@2544.61,1889.61 2545,1890 2545,1971.04 ; RL2.2@2650,1915 RLB1.2@2650,1965 2648.03,1965 2641.15,1971.88 CLB1.1@2595,1971.88 2594.15,1971.04 2545,1971.04
NetCLC1_1: CLC1.1 Q6.1 RL6.2 RLC1.2 | length 213.1
  Top Layer w20: Q6.1@2457.4,1015.74 2457.53,1015.87 2569.87,1015.87 CLC1.1@2570,1016 2570.5,1015.5 2619.5,1015.5 RLC1.2@2620,1015 RL6.2@2620,965
NetCX4_1: CX4.1 DC/DC.8 LP.1 RX1.1 | length 1471.7
  Top Layer w20: RX1.1@4195,115 4241.15,115 4246.15,120 DC/DC.8@4265,120 ; DC/DC.8@4265,120 DC/DC.8@4271,120 ; DC/DC.8@4265,120 DC/DC.8@4271,120 ; DC/DC.8@4271,120 ccw(c4271,220) 4371,220 ; DC/DC.8@4271,120 ccw(c4271,220) 4371,220 ; 4371,220 CX4.1@4371,325 ; 4371,220 CX4.1@4371,325 ; CX4.1@4371,325 cw(c4428.37,325) 4428.37,382.37 ; CX4.1@4371,325 cw(c4428.37,325) 4428.37,382.37 ; 4428.37,382.37 LP.1@4770,382.37 4428.37,382.37
NetCX4_2: CX4.2 DC/DC.4 | length 235.3
  Top Layer w20: CX4.2@4429.53,324.53 CX4.2@4429.06,325 ; CX4.2@4429.06,325 4460,325 ; CX4.2@4429.06,325 4460,325 ; 4460,325 cw(c4460,270) DC/DC.4@4515,270 ccw(c4460,270) 4460,325
NetD0_1: D0.1 RD0.2 | length 80.9
  Top Layer w20: RD0.2@3955,3780 ccw(c3955,3781.52) 3956.52,3781.52 D0.1@3956.52,3859.99
NetD1_1: D1_Error.1 RD1.2 | length 76.8
  Top Layer w20: RD1.2@5347.05,3064.77 5349.43,3062.38 5422.64,3062.38 D1_Error.1@5422.79,3062.53
NetD2_1: D2_State.1 RD2.2 | length 73.4
  Top Layer w20: RD2.2@5348.62,3175 5351.12,3172.5 5417.5,3172.5 D2_State.1@5420,3170
NetDH1_2: DH1.2 RHA1.1 | length 81.5
  Top Layer w20: RHA1.1@1315,2865 1367.32,2865 DH1.2@1382.32,2850 DH1.2@1374.31,2850
NetDH2_2: DH2.2 RHB1.1 | length 77.7
  Top Layer w20: RHB1.1@1265,1910 1268.64,1906.36 1310.96,1906.36 DH2.2@1332.32,1885
NetDH3_2: DH3.2 RHC1.1 | length 72.3
  Top Layer w20: RHC1.1@1320,960 DH3.2@1392.32,960
NetDL1_2: DL1.2 RLA1.1 | length 79.7
  Top Layer w20: RLA1.1@2755,2915 2758.78,2911.22 2788.09,2911.22 2814.31,2885 DL1.2@2822.32,2885
NetDL2_2: DL2.2 RLB1.1 | length 102.8
  Top Layer w20: RLB1.1@2710,1965 2752.32,1965 cw(c2752.32,1940) DL2.2@2777.32,1940 DL2.2@2762.32,1925
NetDL3_2: DL3.2 RLC1.1 | length 112.7
  Top Layer w20: RLC1.1@2680,1015 2717.32,1015 cw(c2717.32,985) DL3.2@2747.32,985 DL3.2@2727.32,965
NetKeyPower_1: KeyPower.1 KeyPower.3 RW1.1 RW2.2 | length 1331.6
  Top Layer w20: RW2.2@5710,255 RW1.1@5710,205.47 ; RW1.1@5713.78,200 5710,203.78 RW1.1@5710,205 RW1.1@5710,205.47 ; KeyPower.3@5846.54,216.57 5839.21,209.25 5713.78,209.25 RW1.1@5710,205.47 ; KeyPower.3@5861.54,231.57 6428.46,231.57 KeyPower.3@5861.54,231.57
NetKeyPower_2: KeyPower.2 KeyPower.4 R16.2 | length 746.9
  Top Layer w20: KeyPower.4@5861.54,428.43 KeyPower.2@6413.46,428.43 ; R16.2@6410.28,607.45 6413.18,603.67 6413.18,430.93 6413.22,428.43 KeyPower.2@6413.46,413.43
NetQC0_1: QC0.1 R12.2 R15.1 | length 362.2
  Top Layer w20: QC0.1@5708.7,734.06 5935.94,734.06 cw(c5935.94,680) R12.2@5990,680 6038.03,680 R15.1@6040,680
NetQC0_3: QC0.3 R12.1 RW1.2 U_Jumper.2 | length 933.3
  Top Layer w20: QC0.3@5708.7,615.94 5762.93,615.94 ; RW1.2@5710,145 5645,145 ; R12.1@5930,680 cw(c5862.91,680) 5886.6,617.23 cw(c5879.54,635.94) 5879.55,615.94 5762.93,615.94 ; 5610.3,154.21 ccw(c5645,215) 5645,145 ; 5610.3,154.21 ccw(c5645,215) 5645,145 ; 5610.3,154.21 cw(c5620.27,171.55) 5607.82,155.89 ccw(c5575,115) 5602.19,159.83 cw(c5612.64,176.89) 5599.76,161.58 cw(c5645,215) U_Jumper.2@5575,215 5622.85,273.91 ccw(c5610.43,284) 5623.35,274.55 5740.48,434.65 ccw(c5705.42,469.71) 5755,469.71 5755,600 cw(c5775,600) 5762.93,615.94
NetQC1_3: QC1.3 R15.2 | length 66.9
  Top Layer w20: R15.2@6095,680 6095.83,680 R15.2@6099.61,683.78 ; R15.2@6100,680 6105.75,681.98 6140.59,681.98 QC1.3@6150.28,682.45 QC1.3@6140.59,679.65
NetR1_1: R1.1 R13.2 RN1.2 | length 4593
  Top Layer w20: R1.1@3951.85,3731.65 RN1.2@3951.85,3681.65 3951.85,3585 ; 1875,3390 cw(c1970,3390) 1970,3485 ; 1875,3390 cw(c1970,3390) 1970,3485 ; 1875,3390 R13.2@1875,3355 1875,3390 ; 1970,3485 3851.85,3485 ; 1970,3485 3851.85,3485 ; 3851.85,3485 ccw(c3851.85,3585) 3951.85,3585 ; 3851.85,3485 ccw(c3851.85,3585) 3951.85,3585
NetR8_2: R8.2 R40.1 | length 55
  Top Layer w25: R8.2@4175,415 R40.1@4230,415